# Altium PCB InsaneKeyboard.PcbDoc (part 5 of 5)
Units mil, origin at the board's own origin, x right, y up, seen from the top; angles counter-clockwise.
Board outline 7442.83 x 6333.68 mil, 2 copper layers (Top Layer, Bottom Layer), stack 61.756 mil thick; 289 components, 175 nets, 928 pads, 1163 vias.
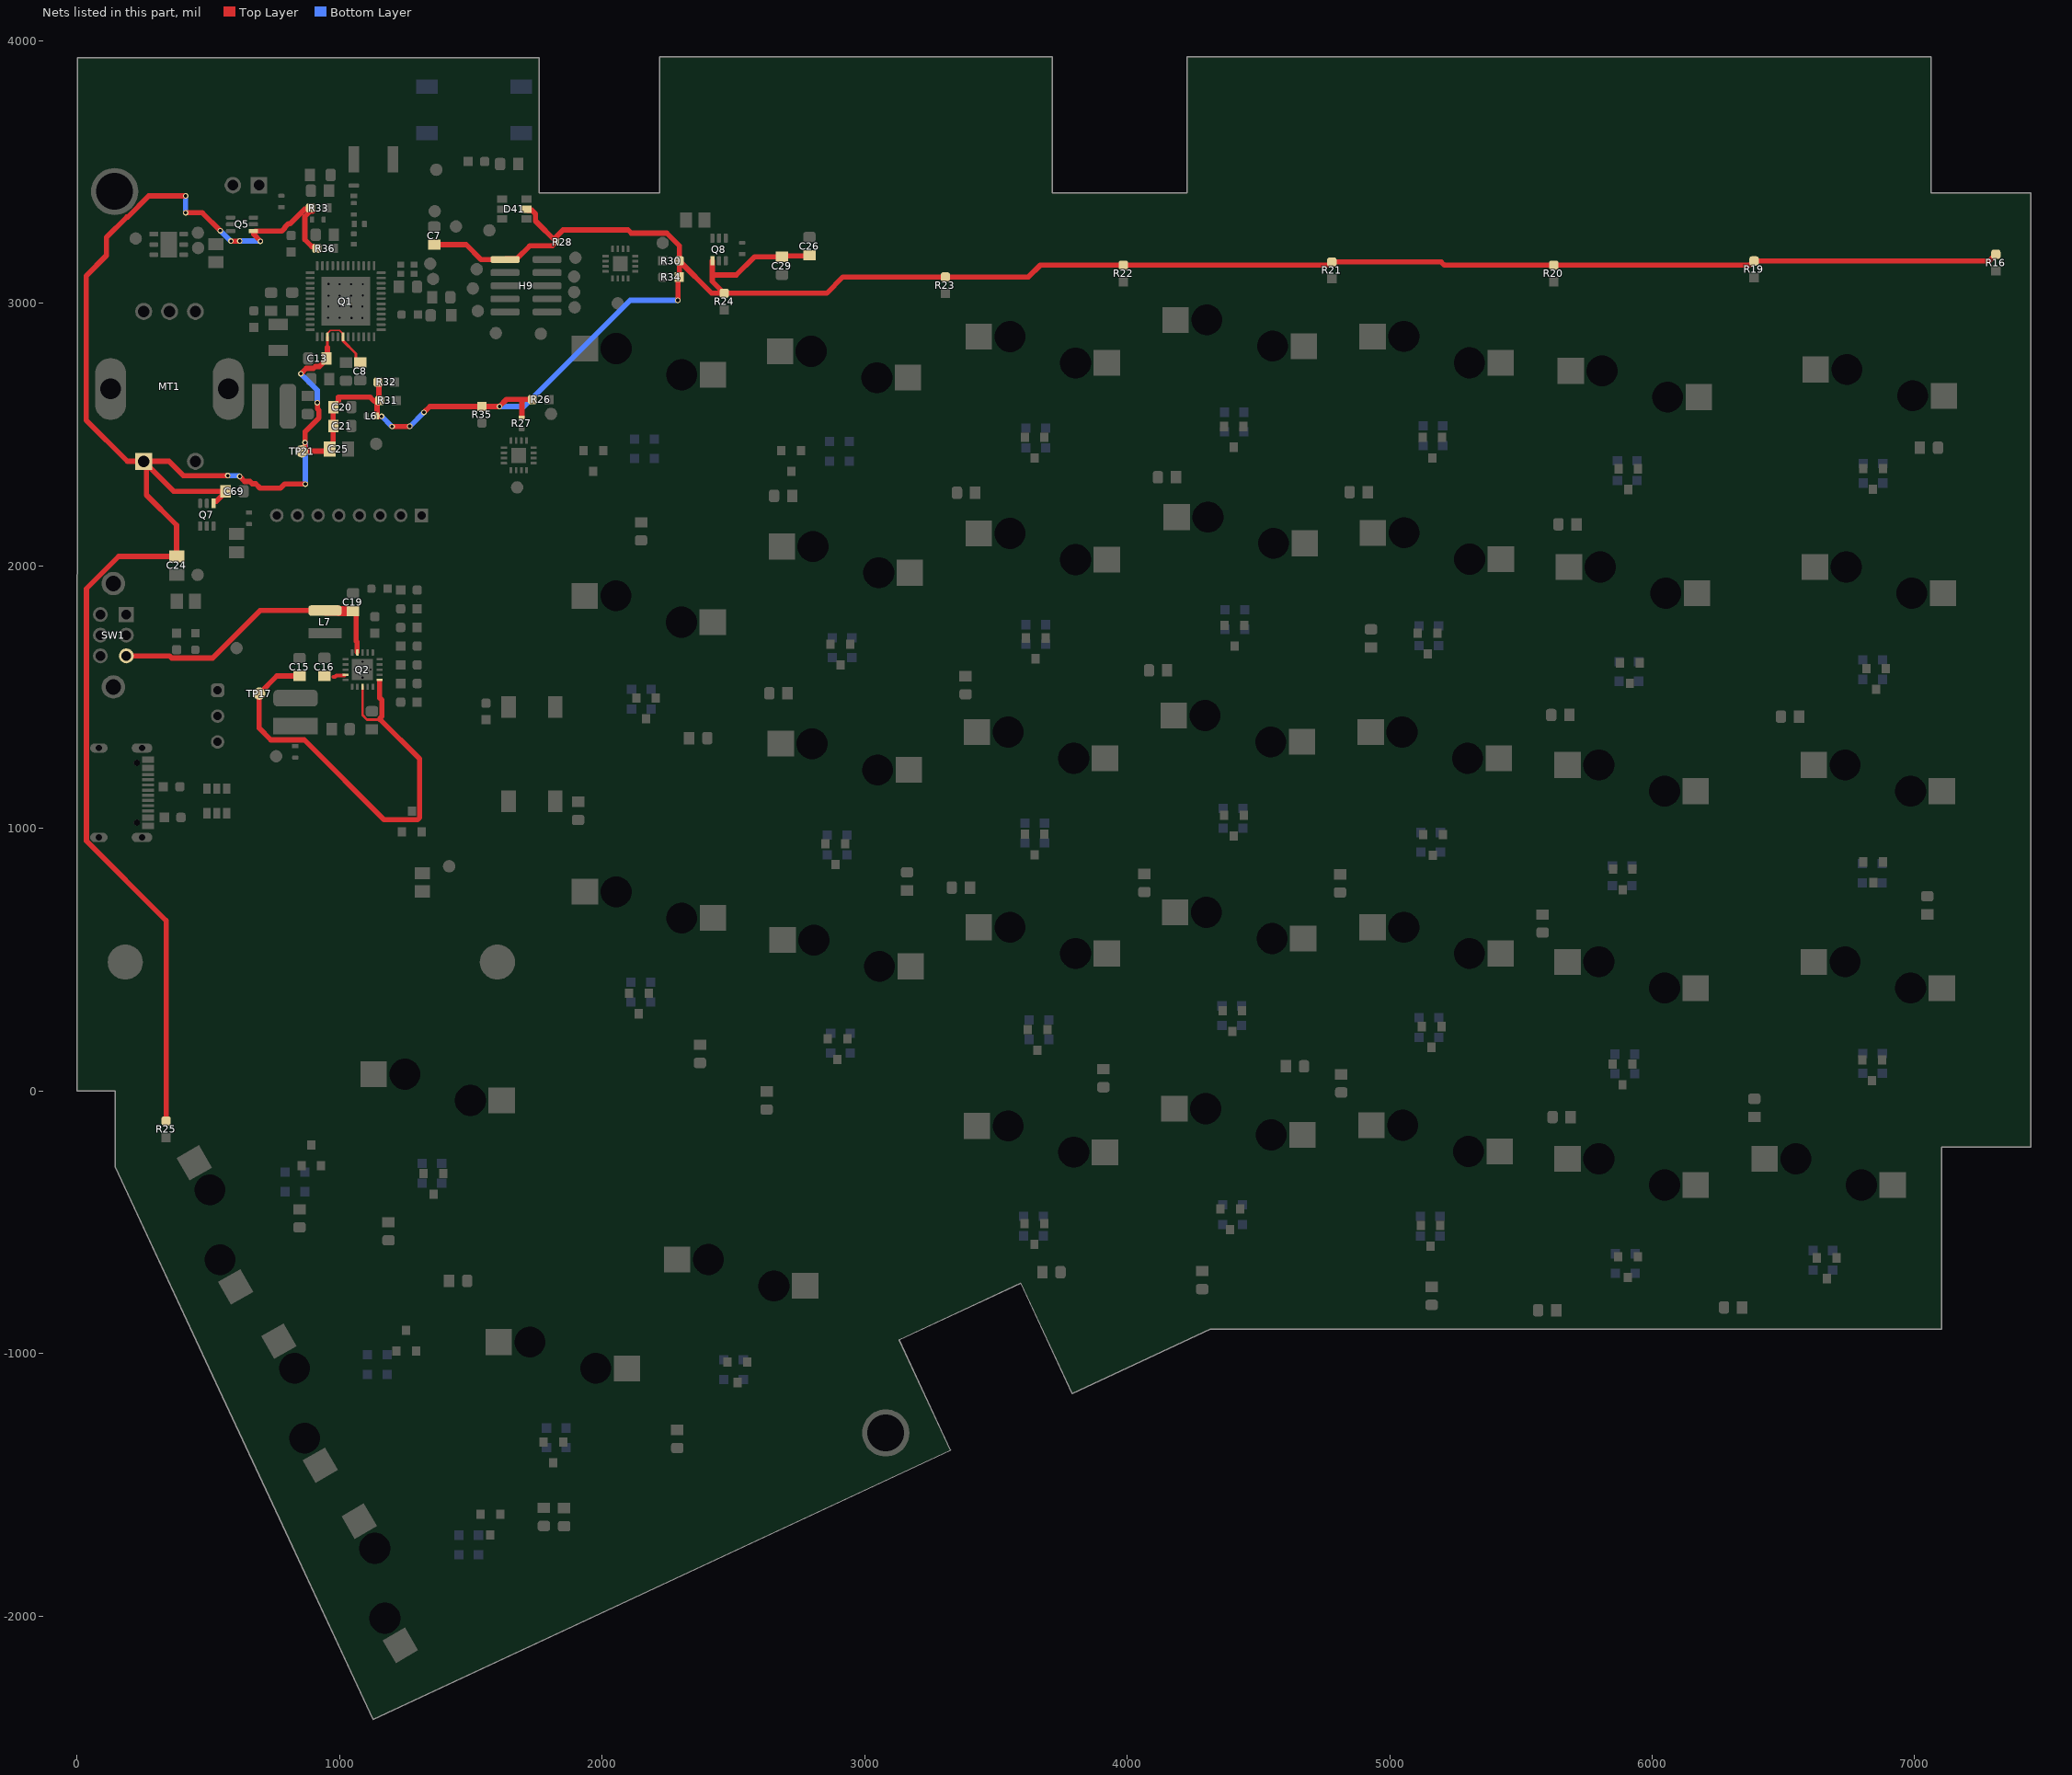
[diagram p5: the nets of this part, all layers, seen from the top]

## Via types
v1: diameter 21, hole 13, Top Layer to Bottom Layer, tented both sides, 1134 vias
v2: diameter 21, hole 13, Top Layer to Bottom Layer, 29 vias

## Nets (pads, with @x,y where several pads share a name; then routed paths per layer and width w, separated by ;. In a path a pad name is that pad's centre, name@x,y a point inside that pad or via, vN(x,y) a via of type N, cw(c..) or ccw(c..) an arc to the next point about the centre after c; other vN are vias at no path point) (continued)
VMCU: C7.1 C8.1 C13.1 C20.1 C21.1 C24.2 C25.1 C26.1 C29.1 C69.1 D41.5 H9.1 L6.1 MT1.1 Q1.39 Q1.42 Q5.1 Q7.1 Q8.1 R16.2 R19.2 R20.2 R21.2 R22.2 R23.2 R24.2 R25.2 R26.2 R27.1 R28.1 R30.2 R31.2 R32.2 R33.2 R34.1 R35.1 R36.2 TP21.1 | length 16463.7
  Top Layer w6: Q1.39@953.87,2883.68 965.98,2895.8 1000.8,2895.8 1010.8,2885.8 1010.8,2880.35 Q1.42@1012.35,2878.8
  Top Layer w10: 953.93,2831.07 Q1.39@953.93,2871.8 ; Q1.42@1012.92,2871.87 1013.04,2871.75 1013.04,2857.22 1062.62,2807.64 1062.62,2789.13 1077.31,2774.45 C8.1@1079,2774.45
  Top Layer w20: R25.2@340,-115 340,648.27 36.53,951.74 36.53,1912.23 159.3,2035 C24.2@380,2035 380,2153.94 265.13,2268.82 MT1.1@265.13,2386.86 ; v2(414,3344) 478,3344 v2(546,3276) ; v2(414,3408.04) 274.12,3408.04 193.7,3327.62 190.19,3327.62 112.86,3250.29 112.86,3181.22 35.54,3103.89 35.54,2553.97 192.09,2397.41 MT1.1@254.57,2397.41 ; Q7.1@522.72,2245.02 531.47,2245.02 565.91,2279.46 C69.1@565.91,2283.39 ; C69.1@553.61,2283.39 368.59,2283.39 MT1.1@265.13,2386.86 ; v2(575,2343) 405.04,2343 350.63,2397.41 MT1.1@254.57,2397.41 ; v2(587,3236) 619.73,3236 620.24,3236.51 v2(620.51,3236.51) ; v2@620.28,2339.81 639.07,2321.02 658.97,2321.02 667.99,2312 680.65,2312 697.65,2295 775.69,2295 791.69,2311 v2(870,2311) ; Q5.1@672.81,3272.28 672.81,3262.4 698.98,3236.23 698.98,3235.81 v1(699.17,3235.62) ; Q5.1@680.02,3274.41 780.66,3274.41 792.37,3286.13 792.37,3289.26 805.76,3302.65 812.71,3302.65 867.85,3357.8 885.59,3357.8 R33.2@889.95,3362.16 ; v1(853.37,2731) 853.64,2731 874.01,2751.38 901.27,2751.38 908.39,2758.5 923.89,2758.5 951.45,2786.06 C13.1@951.45,2788 ; TP21.1@857,2436 TP21.1@862.37,2436 ; TP21.1@864.37,2436 TP21.1@880.58,2436 ; R33.2@898.5,3349.28 888.15,3349.28 868.58,3329.72 868.58,3241.63 894.49,3215.72 906.79,3215.72 R36.2@914.5,3208 ; v2(916,2621) 916.19,2620.81 916.19,2597.7 921.51,2592.38 921.51,2562.72 869,2510.21 v1(869,2469) 869,2447.58 TP21.1@880.58,2436 ; C13.1@948.45,2787 C13.1@950.45,2789 ; 953.93,2831.07 954.19,2830.81 C13.1@954.19,2790.74 ; C25.1@954.35,2436 TP21.1@880.58,2436 ; C25.1@955.77,2437.41 971,2452.65 971,2465.83 975.64,2470.46 C21.1@975.64,2532 ; C21.1@976.55,2532 C20.1@976.55,2607.94 ; C20.1@976.55,2604 C20.1@976.55,2607.94 ; R31.2@1141.5,2626 1132.75,2626 1117.13,2641.62 996.24,2641.62 996.24,2627.62 C20.1@976.55,2607.94 ; L6.1@1141.68,2570 1142.43,2570.75 1142.43,2582.78 1143.5,2583.85 1143.5,2616.19 1142.09,2617.59 R31.2@1153.5,2629 ; L6.1@1142.68,2569 v1(1160.5,2569) ; R32.2@1147.5,2699 1150.5,2696 1150.5,2636.72 R31.2@1149.5,2636.72 ; v1(1200.71,2529.97) 1266.44,2529.97 1267.41,2530.93 v1(1267.68,2530.93) ; v1@1322.44,2584.44 1344.5,2606.5 v1(1609.73,2606.5) 1636.24,2633 1695.25,2633 ; C7.1@1361,3222.55 1482.65,3222.55 1539.21,3166 H9.1@1631,3166 1634,3169 1676,3169 1724.83,3217.83 1811.05,3217.83 1826.22,3233 1746.7,3312.52 1746.7,3340.18 1732.65,3354.22 1716.79,3354.22 D41.5@1713.01,3358 ; R27.1@1695.25,2565.43 1695.25,2633 ; R26.2@1735.5,2633 1695.25,2633 ; R28.1@1826.29,3234.81 1826.29,3253.1 1852,3278.81 2099.2,3278.81 2111.39,3266.62 2246.58,3266.62 2294.5,3218.71 2294.5,3168.72 R34.1@2294.5,3099 2289.19,3093.7 2289.19,3011.19 v1(2289,3011) ; R30.2@2295,3160.5 2418,3037.5 R24.2@2466,3037.5 ; Q8.1@2420.41,3160.69 2420.41,3107 ; C26.1@2790,3182.55 2786.95,3179.5 2689.05,3179.5 C29.1@2686,3176.45 2581.12,3176.45 2511.67,3107 2420.41,3107 ; R16.2@7309,3185.5 7284,3160.5 R19.2@6388,3160.5 6372,3144.5 5208.5,3144.5 5196.5,3156.5 4787.72,3156.5 R21.2@4780,3156.5 4768,3144.5 3669.5,3144.5 3624.5,3099.5 2918,3099.5 2856,3037.5 R24.2@2466,3037.5 ; MT1.1@254.57,2397.41 MT1.1@265.13,2386.86 ; 2420.41,3107 2420.41,3083.09 R24.2@2466,3037.5
  Bottom Layer w20: v2(414,3344) v2(414,3408.04) ; v2(546,3276) 585.81,3236.19 586.81,3236.19 v2(587,3236) ; v2(575,2343) 617.09,2343 v2(620.09,2340) ; v2(620.51,3236.51) 698.02,3236.51 698.9,3235.62 v1(699.17,3235.62) ; v1(853.37,2731) 916,2668.37 v2(916,2621) ; v1(869,2469) 869,2468.73 870,2467.73 v2(870,2311) ; v1(1160.5,2569) 1199.35,2530.16 1200.52,2530.16 v1(1200.71,2529.97) ; v1(1267.68,2530.93) 1267.87,2531.12 1269.12,2531.12 v1(1322.25,2584.25) ; v1(1609.73,2606.5) 1703.14,2606.5 2107.65,3011 v1(2289,3011)
VOUT: C19.1 L7.2 Q2.14 SW1.3 | length 1104.1
  Top Layer w20: SW1.3@188.21,1656.26 353.61,1656.26 361.59,1648.28 517.08,1648.28 697.79,1829 L7.2@945,1829 ; C19.1@1052,1826.55 1054.47,1826.55 1064.15,1816.87 1064.15,1712.5 1067.5,1709.15 1067.5,1678.88 1067.63,1678.75 Q2.14@1067.63,1670.77
  Top Layer w39: L7.2@947.22,1828.82 994.52,1828.82 996.56,1826.78 1036.05,1826.78 1036.08,1826.74 C19.1@1051.78,1826.74
VSTOR: C15.1 C16.1 Q2.3 Q2.6 Q2.19 TP17.1 | length 1885
  Top Layer w10: Q2.3@1088,1539.04 1088,1431.04 1105.28,1413.76 1155.72,1413.76
  Top Layer w15.21: 977.13,1576.54 983.52,1576.54 988.41,1581.43 Q2.19@1018.83,1581.43
  Top Layer w20: C15.1@848,1579.55 761.55,1579.55 TP17.1@694.5,1512.5 694.5,1380.85 738.7,1336.65 866.12,1336.65 1170.12,1032.65 1297.55,1032.65 1305.75,1040.85 1305.75,1263.73 1155.72,1413.76 1155.72,1419.96 1161.48,1425.73 1161.48,1488.28 1152.96,1496.8 1152.96,1559.35
pads on no net: BT1.2 D1.2 D2.3 D2.4 D3.2 D4.2 D5.2 D6.2 D7.2 D8.2 D9.2 D10.2 D11.2 D12.2 D13.2 D14.2 D15.2 D16.2 D17.2 D18.2 D19.2 D20.2 D21.2 D22.2 D23.2 D24.2 D25.2 D26.2 D27.2 D28.2 D29.2 D30.2 D31.2 D32.2 D33.2 D34.2 D35.2 D36.2 D37.2 D38.2 D39.2 D40.2 D41.3 D41.4 D41.6 H3.2 J2. J2.A8 J2.B8 LED41.1-DO Q1.13 Q3.17 Q4.17 Q5.4 Q5.5 Q6. Q6.3 Q6.4 Q7.4 Q7.5 Q8.4 Q8.5 SW1.1 SW1.4 SW1.5 SW1.6 SW1.S1 SW1.S2 SW2.4 SW2.5 SW3.4 SW3.5 SW4.4 SW4.5 SW5.4 SW5.5 SW6.4 SW6.5 SW7.4 SW7.5 SW8.4 SW8.5 SW9.4 SW9.5 SW10.4 SW10.5 SW11.4 SW11.5 SW12.4 SW12.5 SW13.4 SW13.5 SW14.4 SW14.5 SW15.4 SW15.5 SW16.4 SW16.5 SW17.4 SW17.5 SW18.4 SW18.5 SW19.4 SW19.5 SW20.4 SW20.5 SW21.4 SW21.5 SW22.4 SW22.5 SW23.4 SW23.5 SW24.4 SW24.5 SW25.4 SW25.5 SW26.4 SW26.5 SW27.4 SW27.5 SW28.4 SW28.5 SW29.4 SW29.5 SW30.4 SW30.5 SW31.4 SW31.5 SW32.4 SW32.5 SW33.4 SW33.5 SW34.4 SW34.5 SW35.4 SW35.5 SW36.4 SW36.5 SW37.4 SW37.5 SW38.4 SW38.5 SW39.4 SW39.5

## Polygon pours and split planes (outlines as drawn)
GND on Top Layer "NONET_L-01_P-001" (solid, pour order 14): -171,174 1871,174 1999,46 1999,-2143 1536,-2606 1010,-2606
GND on Top Layer "GND_L01_P011" (solid, remove dead copper, pour order 11): 1799.07,3377.63 1799.07,-2118.37 7428.97,-2118.37 7441.07,3377.63 7353.91,3377.63 7175.07,3377.63
NetL5_1 on Top Layer "NETL5_1_L01_P013" (solid, pour order 13): 664.01,2521.99 667,2519 733,2519 733,2686 728,2691 784,2747 831,2747 941,2857 941,2892 929,2892 926,2889 926,2857 800,2857 662.02,2719.02
GND on Top Layer "GND_L01_P010" (solid, pour order 10): 1265,3532 1263,3534 1263,3926 1753,3926 1754,3925 1748,3919 1748,3523
GND on Top Layer "GND_L01_P006" (solid, remove dead copper, pour order 6): 1.58,3548 1745.58,3548 1745.58,3416.69 1750.8,3421.9 1760,3421.9 1760,3107 1.58,3107
NetC17_1 on Top Layer "NETC17_1_L01_P004" (solid, remove dead copper, pour order 4): 706,1420 707,1421 1157.47,1421 1380.07,1258.07 1395,1024 706,1015 706.94,1329
GND on Top Layer "GND_L01_P002" (solid, pour order 2): 820.36,1630.36 1012.36,1619 1035.36,1619 1035.36,1631.36 1012.36,1630.36 990.36,1656.36 977.36,1675.36 839.36,1675.36 820.36,1656.36
VSTOR on Top Layer "VSTOR_L01_P001" (solid, pour order 1): 763,1601 1000,1601 1011,1590 1035,1590 1035,1580 1034,1579 992,1579 963,1553 960,1553 759,1553 759,1601
GND on Bottom Layer "NONET_L-01_P-001" (solid, pour order 12): 1268,3931 1265,3928 1265,3545 1741.73,3545 1745,3548.27 1745,3925
GND on Bottom Layer "GND_L02_P009" (solid, remove dead copper, pour order 9): 6.54,3547 2218,3547 2218,3936 7620,3936 7731,3825 7731,-2971 -50,-2971 -83,-3004

## Keep-outs
Keep-Out Layer:
  lines w20: 0.01,-0.09 146.43,-0.09 146.43,-289.8 479.2,-1003.43 795.33,-1681.38 1128.1,-2395 3327.42,-1369.44 3131.41,-949.1 3595.27,-732.8 3791.28,-1153.14 4317.45,-907.78 7103.08,-907.78 7103.08,-214.47 7442.84,-214.47 7442.84,3420.21 7062.33,3420.21 7062.33,3938.68 4227.68,3938.68 4227.68,3420.22 3715.87,3420.22 3715.87,3938.68 2219.81,3938.68 2219.81,3420.22 1758,3420.22 1758,3934 1.84,3934 0.01,-0.09

## Other copper
Top Layer:
  pour cut-out: 1043.1,3494 1039,3489.9 1039,3169.26 1060.92,3169.26 1070.22,3169.26 1071.97,3494
  pour cut-out: 1083.13,1314.29 1293.42,1104 1294,1104 1294,1255.29 1159.32,1389.97 1087.03,1389.97 1086,1391
  pour cut-out: 705,1233 755,1283 899.31,1283 1160.71,1021.6 1096,1015 706,1015
  pour cut-out: 865.57,3513.24 987.81,3513.24 987.81,3463.38 982.43,3458 865.57,3458
  pour cut-out: 875.21,2883.76 875.21,3169.26 1175.7,3169.26 1178.66,3166.31 1178.11,3165.76 1178.11,2871.87 887.11,2871.87

## Silkscreen, mask and mechanical layers (free items; w line width, h text height)
Top Overlay:
  lines w10: 20,3582 1016,3582 ; 27,2002 59,2002 1523,2002 1523,1966 ; 1086,3582 1168,3582 ; 1235,3582 1730,3582 ; 1523,716 1523,2005 2143,2005 2568,2430 2568,3573 2243,3573 2238,3578 ; 4262,3668 7020,3668
  text "CS" at 412,3438 h60
  text "Temp Sensor" at 234,3313 h30
  text "Team: Low Self Esteem                      v1.1 / Low Power Embedded Design Techniques   11/2/24 /  / Parth Thakkar                           / Anagha Adithya / Akash Karoshi" at 4243,3306 h60
  text "SWD" at 1641,3241 h30
  text "DISPLAY" at 829,2041 h60
  text "DNP" at 259,2024 h30
  text "BATTERY" at 378,1314 h50 r90
  text "IO exp Reset" at 1590,1030 h30 r90
  text "DNP" at 1272,752 h30 r90
  text "Solar Panel" at 477,437 h60
Bottom Overlay:
  drawing of 79 lines, arcs and shapes, not listed
  text "MCU Reset" at 1643,3879 h30
  text "Be You" at 6616,3820 h60
Mechanical 13:
  circle w10: c4794,1531 r107.17
  circle w10: c1426,-1398 r129.63
  lines w10: 219,1493 267,1493 267,1371 221,1371 219,1373 219,1496

## Text inside footprints (layer, text, board x,y; h text height)
J2: Mechanical 13 "PCB EDGE" at 9.19,930.43 h24 r270